# Allegro board BRD_05101_01_rev_b01_aa.brd (continued)
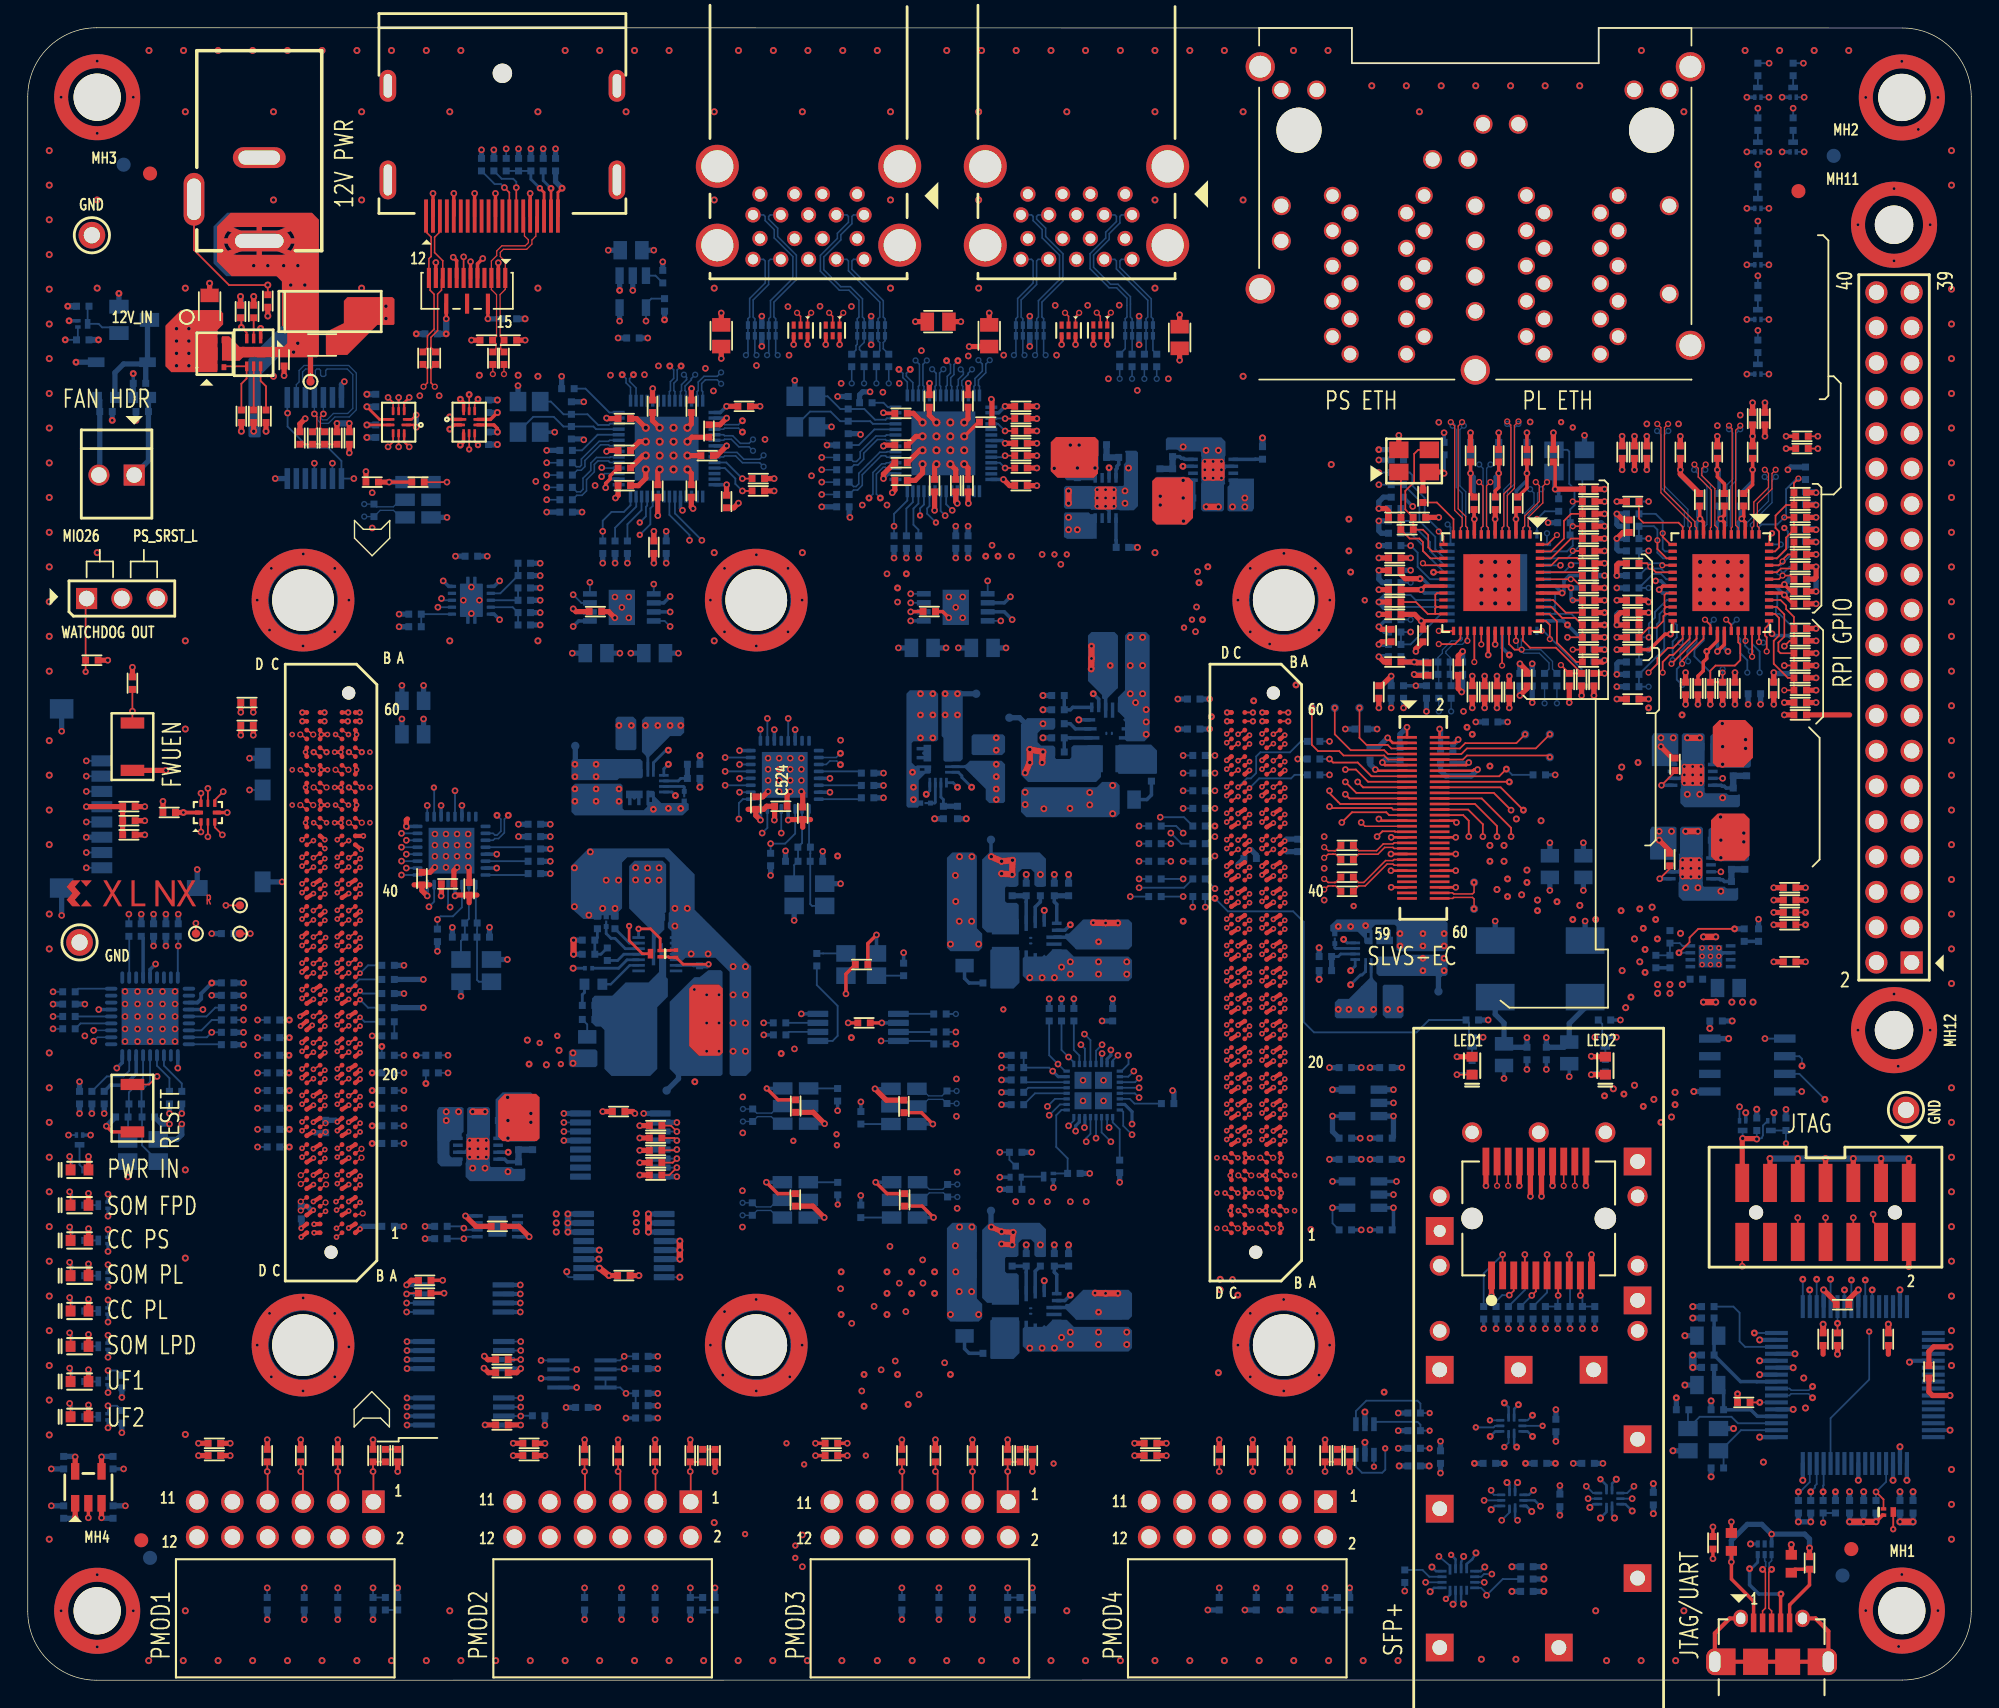
[diagram p0: board, top side]
## Routing (per net, layer and track width the routed paths; a pad name or vN(x,y) marks a point on that pad's centre or on a via; arc(x,y) is an arc through that point) (continued)
PS_3V3_FB: length 3
  BOTTOM w0.254: R1.2 R2.1 75.11,67.86 75.11,67.86 U1.10
PS_3V3_MODE: length 3.1
  BOTTOM w0.254: 76.65,70.06 75.28,70.06 75.11,69.89 R5.1 R4.2
PS_3V3_RAMP: length 2
  BOTTOM w0.254: C5.2 75.1,68.88 75.47,68.51 U1.11
PS_ERROR_OUT_M2C: length 16.9
  TOP w0.132: JA1.B24 v1(23.12,47.13) ; TP38.1 v5(14.27,55.8)
  L12_SIG w0.102: v1(23.12,47.13) 23.54,47.55 23.54,49.96 22.96,50.54 18.51,50.54 14.27,54.78 v5(14.27,55.8)
PS_ERROR_STATUS_M2C: length 17.6
  TOP w0.132: JA1.B25 v1(22.3,47.19) ; TP39.1 v5(12.11,54.51)
  L12_SIG w0.102: v5(12.11,54.51) 12.11,52.75 14.22,50.64 15.87,50.64 16.41,50.1 22.51,50.1 22.73,49.88 22.73,47.62 v1(22.3,47.19)
PS_ETH_1V0: length 34.3
  TOP w0.254: v5(111.17,78.66) 111.04,78.79 U36.42 ; U36.24 v5(100.38,76.29) ; U36.31 v5(105.71,74.6) ; U36.6 v5(105.71,83.61)
  TOP w0.381: C165.1 108,72.69 v5(107.49,73.2) ; C167.1 105.71,83.62 v5(105.71,83.61) ; v7(81.58,85.26) v7(81.58,84.63) ; C162.1 100.5,76.16 v5(100.38,76.29) 99.91,76.75 C166.1 ; v5(98.22,72.31) 97.52,71.62 C164.1 ; C152.1 v5(104.95,72.31) ; C155.1 v5(105.84,72.31) ; v2(100.3,79.32) 99.23,79.32 98.92,79.63 C163.1 ; v7(83.23,85.14) v7(83.26,83.47) ; C154.1 v5(113.58,72.51) ; C153.1 v5(99.62,80.82)
  BOTTOM w0.254: C504.1 111.81,75.1 v2(110.92,75.99) 110.62,76.29 U81.24 ; C510.1 111.3,77.77 111.17,77.9 v5(111.17,78.66) ; 82.22,84.37 81.96,84.63 v7(81.58,84.63) ; U81.6 U36.6 v5(105.71,83.61) 105.71,83.62 C167.1 ; v5(105.71,74.6) 105.72,74.61 U81.31 ; U81.42 101.01,78.79 100.48,79.32 v2(100.3,79.32)
  BOTTOM w0.381: C155.1 v5(105.84,72.31) ; 82.22,84.37 TP17.1 ; C498.1 v5(107.49,73.2) ; C497.1 v5(111.17,78.66) ; C154.1 v5(113.58,72.51) ; C153.1 v5(99.62,80.82) ; C152.1 v5(104.95,72.31) ; C508.1 v5(98.22,72.31)
  vias: v7(83.23,86.41)
PS_ETH_1V0_EN: length 2.1
  BOTTOM w0.254: R243.2 88.44,87.93 88.43,87.92 86.84,87.92
PS_ETH_1V0_FB: length 3.3
  BOTTOM w0.254: U12.4 83.34,87.92 83.27,87.99 83.11,87.99 82.98,88.12 R17.1
  BOTTOM w0.457: R6.2 C14.2 R17.1
PS_ETH_2V5: length 18.5
  TOP w0.254: U36.9 v5(104.21,83.61) 104.19,83.63 C160.1 ; U36.3 v5(107.21,83.61) 107.21,84.18 C151.1 ; C161.1 v5(105.96,89.84) ; C150.1 v5(108,89.84)
  TOP w0.381: C148.1 v5(103.93,89.84) ; v7(75.61,87.3) v7(73.95,87.27) ; v7(75.74,88.95) v7(75.1,88.95) ; C149.1 v5(109.9,89.84)
  BOTTOM w0.254: U81.3 U36.9 v5(104.21,83.61) 104.19,83.63 C160.1 ; v7(75.1,88.95) 75.1,88.57 74.85,88.31 ; U81.9 U36.3 v5(107.21,83.61) 107.23,83.64 C491.1 ; C493.1 v5(102.03,89.84) ; C503.1 v5(105.96,89.84) ; C509.1 v5(108,89.84) ; C492.1 v5(103.93,89.84)
  BOTTOM w0.381: 74.85,88.31 TP13.1
  vias: v7(76.88,87.3)
PS_ETH_2V5_EN: length 2.1
  BOTTOM w0.254: U10.5 78.39,82.1 78.41,82.09 R244.2
PS_ETH_2V5_FB: length 3.3
  BOTTOM w0.254: R15.1 78.59,87.55 78.46,87.42 78.46,87.26 78.39,87.19 U10.4
  BOTTOM w0.457: R10.2 C13.2 R15.1
PS_GEM0_RESET_B: length 67.9
  L05_SIG w0.102: v5(99.62,81.71) 98.09,81.71 97.63,81.25 96.62,81.25 96.06,80.69 94.53,80.69 93.14,82.09 88.69,82.09 84.71,78.1 84.38,78.1 80.49,74.21 79.29,74.21 78.66,73.58 78.66,71.93 77.64,70.91 77.64,69.52 75.61,67.48 75.61,49.7 75.87,49.45 75.87,48.05 75.36,47.54 75.36,45.39 76.88,43.86 76.88,40.81 v5(77.9,39.8)
  BOTTOM w0.127: U19.10 77.75,39.94 v5(77.9,39.8)
  BOTTOM w0.132: U81.43 101.02,79.29 100.12,80.18 100.12,81.2 v5(99.62,81.71) R426.2
PS_GEM1_RESET_B: length 64
  TOP w0.127: R125.2 111.36,79.29 v3(111.16,79.29) U36.43
  L03_SIG w0.102: v6(96.31,77.77) 96.62,78.08 103.09,78.08 104.06,79.04 106.98,79.04 107.23,79.29 v3(111.16,79.29)
  L05_SIG w0.102: v6(96.31,77.77) 92.76,74.21 87.04,74.21 82.09,69.26 82.09,67.48 79.63,65.02 79.63,61.84 78.05,60.27 78.05,53.67 77.64,53.26 77.64,48.56 78.15,48.05 78.15,46.53 v5(77.39,45.77)
  BOTTOM w0.127: U19.29 76.95,45.33 v5(77.39,45.77)
PS_POR_B: length 107.9
  TOP w0.132: JA1.C15 v1(21.4,41.39)
  L03_SIG w0.102: v1(21.4,41.39) 21.85,40.94 25.19,40.94 26.97,39.16 30.27,39.16 30.91,39.8 35.73,39.8 37.51,38.02 41.7,38.02 42.29,38.6 44.67,38.6 45.64,37.64 45.64,36.62 46.53,35.73 49.81,35.73 51.04,36.97 65.5,36.97 66.72,35.75 68.18,35.75 69.33,36.9 76.15,36.9 v5(78.02,38.78) 78.02,34.59 85.14,27.48 86.15,27.48 87.93,29.26 93.01,29.26 98.22,24.05 98.22,17.13 v6(97.79,16.7)
  BOTTOM w0.127: v5(78.02,38.78) 77.35,39.45 U19.11
  BOTTOM w0.132: U23.6 95.68,15.38 96.11,14.94 97.57,14.94 97.79,15.16 97.79,16.69 v6(97.79,16.7)
PS_SRST_C2M_B: length 194.4
  TOP w0.127: J3.14 v5(123.51,29.82)
  TOP w0.132: JA1.C16 v1(21.4,42.02)
  L03_SIG w0.102: v5(123.51,29.82) 120.24,29.82 118.75,28.33 118.75,25.91 114.05,21.21 103.77,21.21 103.26,20.7 100.97,20.7 100,19.72 100,16.81 99.11,15.92 98.09,15.92 97.55,15.38 v6(96.98,15.38) 96.05,16.3 84.12,16.3 83.23,15.41 79.29,15.41 78.02,16.68 62.28,16.68 61.39,17.57 48.18,17.57 47.8,17.95 39.67,17.95 36.11,21.51 22.78,21.51 21.64,20.37 17.95,20.37 15.79,22.53 15.79,35.1 18.08,37.38 18.08,39.54 19.35,40.81 20.75,40.81 20.98,41.05 20.98,41.61 v1(21.4,42.02)
  L10_SIG w0.102: J1.3 17.89,69.32 17.89,53.7 19.35,52.24 24.05,52.24 24.38,51.91 24.38,43.05 23.85,42.51 21.89,42.51 v1(21.4,42.02)
  BOTTOM w0.132: U23.4 v6(96.98,15.38)
PWRGD_FPD_M2C: length 22.6
  TOP w0.305: JA1.D24 v1(20.49,47.16)
  L10_SIG w0.203: 18.8,42.97 19.32,43.48 19.32,46.11 19.73,46.53
  L10_SIG w0.254: v1(20.49,47.16) 20.49,46.78 20.24,46.53 19.73,46.53 ; v5(5.78,35) 8.46,35 15.16,41.7 16.81,41.7 18.08,42.97 18.8,42.97
  BOTTOM w0.229: Q7.1 v5(5.78,35)
PWRGD_LPD_M2C: length 33.7
  TOP w0.305: JA1.D25 v1(19.65,47.11)
  L10_SIG w0.254: v5(5.78,24.84) 6.65,25.71 6.65,30.78 5.13,32.3 5.13,36.11 7.67,38.65 10.46,38.65 15.03,43.23 16.81,43.23 18.21,44.62 18.21,46.66 18.46,46.91 19.45,46.91 v1(19.65,47.11)
  BOTTOM w0.229: Q17.1 v5(5.78,24.84)
PWRGD_PL_M2C: length 31
  TOP w0.305: JA1.D26 v1(19.62,47.8)
  L10_SIG w0.254: v1(19.62,47.8) 19.37,48.05 18.46,48.05 17.57,47.16 17.57,45 16.94,44.37 14.52,44.37 12.11,41.96 8.43,41.96 7.67,41.19 7.67,39.92 3.73,35.99 3.73,31.97 v5(5.78,29.92)
  BOTTOM w0.229: Q9.1 v5(5.78,29.92)
PWROFF_C2M_B: length 158.2
  TOP w0.132: C207.1 v7(17.29,100.47) 14.5,100.47 11.98,102.99 J12.3
  TOP w0.203: v6(43.32,54.31) 43.32,53.27 44.27,52.32 Q21.3
  TOP w0.305: JA1.B26 v1(22.3,47.83)
  L05_SIG w0.203: 16.56,49.67 17.65,48.58 21.11,48.58 21.36,48.33
  L05_SIG w0.254: 21.36,48.33 21.79,48.33 v1(22.3,47.83) ; 16.56,49.67 16.56,54.66 15.67,55.55 15.67,62.15 14.65,63.17 14.65,64.56 11.73,67.48 7.16,67.48 3.16,71.49 3.16,74.57 3.73,75.14 10.37,75.14 11.53,76.3 11.53,88.36 16.05,92.88 16.05,97.96 17.29,99.21 v7(17.29,100.47)
  L10_SIG w0.254: v5(2.94,39.26) 2.94,40.78 4.24,42.08 6.27,42.08 9.32,45.13 15.79,45.13 16.3,45.64 16.68,45.64 17.05,46.01 17.05,47.31 18.31,48.56 20.02,48.56 20.22,48.36 21.77,48.36 v1(22.3,47.83) ; v2(34.61,38.02) 35.35,38.77 35.35,46.35 v6(43.32,54.31)
  L12_SIG w0.254: v2(34.61,38.02) 35.1,38.51 35.1,44.37 32.57,46.89 24.42,46.89 23.92,46.4 22.27,46.4 21.85,46.83 21.85,47.38 v1(22.3,47.83)
  BOTTOM w0.132: Q6.1 v5(2.94,39.26)
  BOTTOM w0.254: U7.3 v2(34.61,38.02)
RPI_3V3: length 8.3
  TOP w0.254: R331.2 v5(126.66,88.69) ; R330.2 v5(126.66,89.58)
  TOP w0.381: R326.2 v5(125.78,54.4) ; C425.1 v5(128.06,51.74) ; R327.2 v5(125.78,55.29) ; 131.24,69.52 C424.1
  BOTTOM w0.381: U74.1 v5(98.38,42.53) ; C431.1 v5(98.98,44.12)
RPI_3V3_EN: length 2.8
  BOTTOM w0.254: U74.4 v5(93.99,40.63)
  BOTTOM w0.381: R332.1 93.99,39.51 v5(93.99,40.63)
RPI_3V3_PWR_FLT_B: length 2.7
  BOTTOM w0.381: U74.3 v5(98.38,40.63) 98.38,39.13 R333.2
RPI_5V0: length 3.3
  TOP w0.381: C426.1 v5(128.06,57.07) ; C427.1 v5(128.06,56.18)
  BOTTOM w0.254: U73.1 v5(98.6,35.92)
  BOTTOM w0.381: C429.1 v5(98.98,37.51)
RPI_5V0_EN: length 2.8
  BOTTOM w0.132: R328.1 93.99,32.91 v5(93.99,34.02)
  BOTTOM w0.254: U73.4 v5(93.99,34.02)
RPI_5V_PWR_FLT_B: length 2.7
  BOTTOM w0.254: R329.2 98.38,32.52 v5(98.38,34.02) U73.3
SD_CTRLR_RESET_B: length 121.6
  L03_SIG w0.102: v6(60.37,16.18) 59.74,15.54 56.69,15.54 56.18,16.05 39.8,16.05 38.15,17.7 26.21,17.7 24.56,19.35 17.19,19.35 14.4,22.14 14.4,36.11 13.25,37.26 10.46,37.26 8.05,39.67 8.05,43.99 9.19,45.13 11.1,45.13 11.86,45.89 11.86,51.86 v5(10.84,52.88)
  L05_SIG w0.102: v6(60.37,16.18) 60.37,18.21 65.96,23.8 65.96,27.73 68.75,30.53 68.75,33.07 73.58,37.89 v5(73.58,40.69)
  BOTTOM w0.127: U19.18 74.36,41.46 v5(73.58,40.69)
  BOTTOM w0.132: U38.18 10.81,52.84 v5(10.84,52.88) R429.2
SDIO_CD_B: length 38.9
  L10_SIG w0.102: v5(13.25,46.66) 14.4,47.8 14.4,55.16 14.65,55.42 16.57,55.42 16.75,55.6 16.75,56.38 16.6,56.54 12.95,56.54 12.69,56.79 12.69,57.02 12.95,57.27 16.55,57.27 16.78,57.5 16.78,57.83 16.6,58.01 12.95,58.01 12.75,58.21 12.75,58.54 12.95,58.75 16.54,58.75 16.74,58.95 16.74,63.35 v5(15.98,64.11)
  BOTTOM w0.132: J11.13 v5(15.98,64.11) ; R130.2 v5(13.25,46.66) 12.89,46.3 U38.26
SDIO_CLK: length 2.7
  BOTTOM w0.132: R249.1 3.64,49.8 U38.9
SDIO_CLK_R: length 36.6
  TOP w0.132: U82.7 v5(12.48,63.88)
  L10_SIG w0.102: v5(12.48,63.88) 5.58,63.88 5.38,63.67 5.38,62.01 5.18,61.81 v5(4.22,61.81)
  L12_SIG w0.102: v5(12.48,63.88) 5.71,63.88 5.51,63.67 5.51,52.88 4.24,51.61 2.08,51.61 1.82,51.35 v5(1.82,49.58)
  BOTTOM w0.132: J11.5 v5(4.22,61.81) ; R249.2 v5(1.82,49.58)
SDIO_CMD: length 3
  BOTTOM w0.132: R248.1 7.31,53.55 U38.11
SDIO_CMD_R: length 37.3
  TOP w0.132: U82.6 v5(12.98,64.23)
  L10_SIG w0.102: v5(12.98,64.23) 12.39,64.82 5.03,64.82 v5(4.22,64.01)
  L12_SIG w0.102: v5(12.98,64.23) 12.98,63.55 12.47,63.04 10.82,63.04 10.16,62.38 8.2,62.38 7.54,63.04 6.55,63.04 6.35,62.84 6.35,62.05 6.55,61.85 7.49,61.85 7.72,61.62 7.72,61.29 7.54,61.11 6.55,61.11 6.35,60.91 6.35,60.58 6.55,60.38 7.51,60.38 7.72,60.17 7.72,59.84 7.51,59.64 6.55,59.64 6.35,59.44 6.35,58.84 6.53,58.66 7.36,58.66 7.54,58.48 7.54,58.23 7.36,58.05 6.53,58.05 6.35,57.87 6.35,57.62 6.53,57.44 7.36,57.44 7.54,57.26 7.54,57.01 7.36,56.83 6.53,56.83 6.35,56.65 6.35,55.37 6.55,55.17 v5(7.28,55.17)
  BOTTOM w0.132: J11.3 v5(4.22,64.01) ; R248.2 v5(7.28,55.17)
SDIO_DATA0: length 2.6
  BOTTOM w0.132: U38.5 R250.1
SDIO_DATA0_R: length 37.1
  TOP w0.132: U82.1 v5(12.48,61.09)
  L10_SIG w0.102: v5(4.22,59.61) 5.56,59.61 5.94,59.23 10.62,59.23 v5(12.48,61.09)
  L12_SIG w0.102: v5(1.82,47.8) 5.38,47.8 5.63,48.05 5.63,49.29 5.43,49.49 2.79,49.49 2.59,49.69 2.59,50.02 2.79,50.22 5.43,50.22 5.63,50.43 5.63,51.61 8.63,54.61 8.63,57.24 v5(12.48,61.09)
  BOTTOM w0.132: R250.2 v5(1.82,47.8) ; J11.7 v5(4.22,59.61)
SDIO_DATA1: length 2.8
  BOTTOM w0.132: R251.1 3.81,47.3 U38.4
SDIO_DATA1_R: length 36.6
  TOP w0.132: U82.2 v5(12.98,60.74)
  L10_SIG w0.102: v5(12.98,60.74) 10.74,58.51 v5(4.22,58.51)
  L12_SIG w0.102: v5(12.98,60.74) 9.52,57.28 9.52,54.22 6.4,51.1 6.4,45.51 6.02,45.13 2.63,45.13 2.47,45.29 2.47,46.26 v5(1.82,46.91)
  BOTTOM w0.132: J11.8 v5(4.22,58.51) ; R251.2 v5(1.82,46.91)
SDIO_DATA2: length 2.6
  BOTTOM w0.132: U38.25 12.51,46.8 13.25,47.54 R252.1
SDIO_DATA2_R: length 37.4
  TOP w0.132: v5(14.02,60.88) 13.48,61.42 U82.3
  L10_SIG w0.102: v5(4.22,66.21) 12.12,66.21 13.48,64.85 13.48,61.42 v5(14.02,60.88)
  L12_SIG w0.102: v5(15.54,47.54) 16.05,48.05 16.05,49.5 15.79,49.75 12.95,49.75 11.35,51.35 11.35,55.29 12.75,56.69 14.78,56.69 15.16,57.07 15.16,59.74 v5(14.02,60.88)
  BOTTOM w0.132: J11.1 v5(4.22,66.21) ; R252.2 v5(15.54,47.54)
SDIO_DATA3: length 2.6
  BOTTOM w0.132: U38.23 12.87,47.8 13.51,48.43 R253.1
SDIO_DATA3_R: length 37.2
  TOP w0.132: v5(14.08,63.99) 13.48,63.39 U82.5
  L10_SIG w0.102: v5(4.22,65.11) 3.73,65.59 3.73,66.47 4.11,66.85 12.37,66.85 14.08,65.13 v5(14.08,63.99)
  L12_SIG w0.102: v5(14.08,63.99) 14.08,63.1 13.51,62.53 13.51,58.72 10.38,55.6 10.38,51.56 13.51,48.43 v5(15.54,48.43)
  BOTTOM w0.132: R253.2 v5(15.54,48.43) ; J11.2 v5(4.22,65.11)
SDIO_SCK: length 3
  BOTTOM w0.132: R464.2 10.21,43.35 9.31,44.25 U38.31
SDIO_SDA: length 2.4
  BOTTOM w0.132: R463.2 13.91,45.8 U38.27
SDIO_VDD: length 32.2
  TOP w0.279: v2(11.21,62.49) U82.8
  TOP w0.381: C565.1 v2(11.21,62.49) ; R462.1 C557.1 C369.1 4.23,62.91 v5(4.22,62.91)
  L05_SIG w0.381: v2(13.25,50.21) 13.25,51.74 11.35,53.64 11.35,54.78 11.86,55.29 11.86,56.94 11.21,57.59 v2(11.21,62.49) 9.74,62.49 8.3,63.93 5.24,63.93 v5(4.22,62.91)
  BOTTOM w0.279: U38.21 12.22,48.8 12.49,49.07 12.49,49.45 v2(13.25,50.21)
  BOTTOM w0.381: v2(13.25,50.21) 13.26,50.22 C558.1 ; J11.4 v5(4.22,62.91)
SDIO_VDD18: length 3
  BOTTOM w0.254: C175.1 8.31,53.44 U38.13
SDIO_VDD18PLL: length 4.2
  BOTTOM w0.254: U38.34 7.81,43.67 6.98,42.85 5.95,42.85 C562.1
SDIO_WP: length 3.1
  BOTTOM w0.132: U38.30 9.81,44.26 11.09,42.97 R465.1
SDIO_XTAL1: length 6.5
  BOTTOM w0.132: U38.33 8.31,43.36 7.28,42.34 7.28,41.51 R466.1 7.29,40.62 C563.1 7.23,38.97 X11.3
SDIO_XTAL2: length 8.4
  BOTTOM w0.132: X11.1 8.23,38.52 C564.1 8.19,40.6 R466.2 8.19,42.48 8.81,43.1 U38.32
SFP_RS0: length 3.1
  TOP w0.127: J23.7 v5(110.25,27.71)
  BOTTOM w0.132: v5(110.25,27.71) 110.22,27.68 R341.1 R343.2
SFP_RS1: length 3.2
  TOP w0.127: J23.9 v5(111.85,27.71)
  BOTTOM w0.132: v5(111.85,27.71) 111.99,27.56 R344.2 R342.1
SOM240_1_C45_NC: length 0.4
  TOP w0.132: JA1.C45 v1(21.4,59.89)
SOM240_1_D46_NC: length 0.4
  TOP w0.132: JA1.D46 v1(19.76,60.53)
SOM_5V0: length 11.6
  TOP w0.254: JA1.D60 v6(19.78,69.69) ; JA1.B60 v6(23.08,69.69) ; JA1.A59 v6(23.92,69.06) ; JA1.C59 v6(21.38,69.06) ; JA1.A60 v6(23.92,69.69) ; JA1.C60 v6(21.38,69.69)
  TOP w0.381: C323.1 v5(16.24,69.7) ; C324.1 v5(16.24,68.05)
  L05_SIG w0.254: v7(38.91,32.28) v7(38.91,32.93) v7(38.91,33.58)
  BOTTOM w0.381: C354.1 v5(26.95,71.64) ; U14.15 v7(38.91,32.93) ; U14.14 v7(38.91,32.28) ; C353.1 v5(26.95,69.22) ; U14.16 v7(38.91,33.58)
  BOTTOM w0.457: v7(38.91,32.28) v7(38.91,32.93) v7(38.91,33.58)
  vias: v7(38.07,33.58) v7(38.07,32.93) v7(38.07,32.28)
SOM_DP_AUX_IN_LS: length 14.8
  TOP w0.127: U28.4 v6(31.8,88.64)
  L12_SIG w0.102: v6(31.8,88.64) 31.8,89.12 31.42,89.51 25.27,89.51 24.74,88.97 21.98,88.97 v5(20.65,87.64)
  BOTTOM w0.127: U29.4 v5(20.65,87.64)
SOM_DP_AUX_OUT_LS: length 13.9
  TOP w0.127: v6(32.43,88.95) 32.2,89.18 U28.5
  L12_SIG w0.102: v5(21.95,87.64) 22.54,87.04 23.67,87.04 24.68,88.06 32.03,88.06 32.43,88.46 v6(32.43,88.95)
  BOTTOM w0.127: U29.2 v5(21.95,87.64)
SOM_DP_HPD_LS: length 31.9
  TOP w0.127: U30.4 v5(26.72,92.38)
  L05_SIG w0.102: v5(34.46,110.28) 35.22,111.04 38.4,111.04 39.48,109.96 39.48,105.52 35.48,101.52 35.48,99.11 31.92,95.55 29.22,95.55 26.72,93.05 v5(26.72,92.38)
  BOTTOM w0.127: R352.1 v5(34.46,110.28)
SOM_DP_OE_LS: length 17.4
  TOP w0.127: U30.5 26.32,92.01 v5(25.95,92.38)
  L05_SIG w0.102: v5(23.49,86.53) 23.8,86.84 23.8,90.6 24.18,90.98 24.56,90.98 v5(25.95,92.38)
  BOTTOM w0.127: U29.1 v5(23.49,86.53)
  BOTTOM w0.132: U29.8 18.7,91.27 v5(18.72,91.25) 18.72,90.28 20.24,88.76 21.64,88.76 22.6,87.8 U29.1
USB0_ATEST: length 3.8
  BOTTOM w0.132: U43.52 41.05,89.69 39.92,88.57 R222.1
USB0_CFG_BC_EN: length 3.6
  BOTTOM w0.132: U43.40 44.21,85.23 44.21,84.26 43.2,83.24 R219.1
USB0_CFG_NON_REM: length 3.8
  BOTTOM w0.132: U43.41 43.83,85.23 43.83,84.51 42.31,82.99 R220.1
USB0_D1_N: length 90.4
  L03_SIG w0.112: v5(4.74,46.8) 5.01,46.54 5.77,46.54 5.89,46.66 5.89,66.47 12.11,72.69 12.11,82.83 18.1,88.82 22.4,88.82 23.67,90.09 23.67,93.77 25.19,95.3 26.75,95.3 27.84,96.39 29.9,96.39 30.76,95.53 30.76,91.95 31.95,90.75 37.2,90.75 39.04,92.58 39.04,93.39 40.95,95.3 42.85,95.3 43.35,94.79 43.35,94.3 v2(43.63,94.02)
  BOTTOM w0.114: U43.2 43.82,93.06 43.35,93.53 43.35,93.73 v2(43.63,94.02) ; U38.3 v5(4.74,46.8)
USB0_D1_P: length 90.4
  L03_SIG w0.112: v5(4.74,46.02) 5.01,46.28 5.88,46.28 6.14,46.55 6.14,66.36 12.37,72.59 12.37,82.72 18.21,88.57 22.5,88.57 23.92,89.98 23.92,93.67 25.3,95.04 26.85,95.04 27.95,96.13 29.79,96.13 30.5,95.42 30.5,91.84 31.85,90.5 37.31,90.5 39.29,92.48 39.29,93.28 41.05,95.04 41.43,95.04 41.56,94.91 41.56,94.84 41.69,94.71 41.88,94.71 42.01,94.84 42.01,94.91 42.14,95.04 42.74,95.04 43.1,94.68 43.1,94.3 v2(42.82,94.02)
  BOTTOM w0.114: U38.2 5.02,46.3 v5(4.74,46.02) ; U43.1 43.42,93.11 43.1,93.43 43.1,93.73 v2(42.82,94.02)
USB0_D2_N: length 23.2
  TOP w0.114: v3(56.43,98.47) 56.17,98.21 X6.1
  L03_SIG w0.112: U44.11 56.48,103.82 55.26,102.61 55.26,101.19 56.05,100.4 56.05,98.58 56.17,98.47 v3(56.43,98.47) 56.05,98.09 56.05,97.55 55.22,96.72 48.01,96.72 46.81,95.52 46.81,94.9 v2(47.06,94.64)
  BOTTOM w0.114: v2(47.06,94.64) 46.78,94.36 46.78,93.65 46.55,93.41 46.55,92.87 46.62,92.8 U43.9
USB0_D2_P: length 23.1
  TOP w0.114: v3(55.42,98.47) 55.67,98.22 X6.2
  L03_SIG w0.112: v2(46.25,94.64) 46.55,94.95 46.55,95.63 47.11,96.18 47.11,96.34 46.77,96.68 46.77,96.84 46.92,97 47.08,97 47.42,96.65 47.58,96.65 47.9,96.97 55.11,96.97 55.8,97.66 55.8,98.09 v3(55.42,98.47) 55.69,98.47 55.8,98.58 55.8,100.29 55.01,101.08 55.01,102.71 55.24,102.95 U44.12
  BOTTOM w0.114: v2(46.25,94.64) 46.53,94.36 46.53,93.75 46.3,93.51 46.3,92.87 46.22,92.8 U43.8
USB0_D3_N: length 29.1
  TOP w0.114: X5.1 58.48,98.21 v3(58.75,98.47)
  L03_SIG w0.112: v2(51.48,89.89) 51.74,90.14 53.8,90.14 56.97,93.31 56.97,96.36 58.37,97.76 58.37,98.09 v3(58.75,98.47) 58.34,98.88 58.34,100.19 59.38,101.23 59.38,102.89 58.83,103.44 58.83,104.33 59.36,104.87 59.36,106.1 58.9,106.57 57.86,106.57 57.56,106.26 56.93,106.26 56.44,106.75 56.44,106.91 56.55,107.02 U44.2
  BOTTOM w0.114: v2(51.48,89.89) 51.2,90.17 50.2,90.17 50.13,90.09 U43.18
USB0_D3_P: length 29.1
  TOP w0.114: X5.2 57.98,98.22 v3(57.73,98.47)
  L03_SIG w0.112: U44.3 56.01,107.02 56.19,106.84 56.19,106.65 56.83,106.01 57.66,106.01 57.96,106.31 58.79,106.31 59.11,106 59.11,104.97 58.58,104.44 58.58,103.34 59.13,102.78 59.13,101.34 58.09,100.29 58.09,98.83 v3(57.73,98.47) 58.11,98.09 58.11,97.86 56.71,96.46 56.71,93.42 53.69,90.39 52.91,90.39 52.8,90.51 52.8,90.58 52.69,90.69 52.46,90.69 52.35,90.58 52.35,90.51 52.24,90.39 51.79,90.39 v2(51.48,90.7)
  BOTTOM w0.114: U43.17 50.13,90.49 50.2,90.42 51.2,90.42 v2(51.48,90.7)
USB0_HUB_I2C_SCK: length 55
  TOP w0.132: v5(46.76,38.21) 46.7,38.16 R57.2
  L05_SIG w0.102: v6(44.09,82.48) 43.86,82.26 43.86,78.41 44.62,77.64 44.62,73.83 41.07,70.28 41.07,67.74 43.61,65.2 43.61,61.51 46.15,58.97 46.15,57.2 45.39,56.43 45.39,38.91 46.08,38.21 v5(46.76,38.21)
  BOTTOM w0.127: U18.5 v5(46.76,38.21)
  BOTTOM w0.132: v6(44.09,82.48) 44.85,83.24 44.85,84.39 45.02,84.56 U43.38
USB0_HUB_I2C_SDA: length 53.9
  TOP w0.132: R62.2 46.58,39.05 v5(46.76,38.86)
  L05_SIG w0.102: v5(46.76,38.86) 46.1,39.52 46.1,56.12 47.16,57.18 47.16,59.23 44.5,61.9 44.5,65.59 41.83,68.26 41.83,69.5 45.34,73.01 45.34,77.95 44.5,78.79 44.5,81.83 44.62,81.96 44.62,82.83 v6(44.09,83.37)
  BOTTOM w0.127: U18.4 v5(46.76,38.86)
  BOTTOM w0.132: U43.39 44.62,84.59 44.53,84.5 44.53,83.82 v6(44.09,83.37)
USB0_HUB_RESET_B: length 89.5
  L05_SIG w0.102: v6(83.3,75.8) 81.45,73.96 81.45,71.42 77.52,67.48 77.52,63.04 76.12,61.64 76.12,49.83 76.25,49.7 76.25,47.29 76.63,46.91 76.63,46.27 76.37,46.02 76.37,44.97 77.11,44.24 78.53,44.24 v5(79.29,45)
  L12_SIG w0.102: v5(41.42,82.74) 42.58,81.58 46.02,81.58 47.29,82.85 57.83,82.85 60.37,80.31 65.71,80.31 68.63,77.39 81.71,77.39 v6(83.3,75.8)
  BOTTOM w0.127: v5(79.29,45) 79.29,44.37 78.79,43.86 U19.1
  BOTTOM w0.132: U43.42 43.42,84.61 42.94,84.13 42.05,84.13 41.42,83.5 v5(41.42,82.74) R218.2
USB0_PHY_RESET_B: length 58.3
  L03_SIG w0.102: v6(38.15,46.4) 40.18,46.4 40.56,46.02 57.7,46.02 58.68,45.05 61.61,45.05 61.85,45.28 67.38,45.28 68.37,46.27 75.87,46.27 v5(76.12,46.53)
  L12_SIG w0.102: v5(29.51,54.78) 29.51,54.28 37.38,46.4 v6(38.15,46.4)
  BOTTOM w0.127: v5(76.12,46.53) 76.55,46.09 76.55,44.38
  BOTTOM w0.132: U37.27 31.28,55.66 30.63,55.01 29.74,55.01 v5(29.51,54.78) R210.2
USB0_PRT_CTL2: length 26
  L03_SIG w0.102: v5(46.27,75.88) 44.62,77.54 44.62,78.02 44.12,78.53 41.58,78.53 41.21,78.17 v5(39.29,78.17) 39.29,78.91 39.92,79.55 46.02,79.55 47.67,81.2 v5(47.67,82.09)
  BOTTOM w0.127: v5(46.27,75.88) 45.88,76.28 U45.8 ; v5(39.29,78.17) 39.88,77.58 U45.3
  BOTTOM w0.132: U43.35 46.22,83.92 47.67,82.47 v5(47.67,82.09)
USB0_PRT_CTL3: length 15.4
  L03_SIG w0.102: v5(40.5,79.06) 44.97,79.06 v5(45.1,78.93) 46.17,78.93 48.56,81.33 v5(48.56,82.09)
  BOTTOM w0.127: U45.4 v5(40.5,79.06) ; U45.5 v5(45.1,78.93)
  BOTTOM w0.132: v5(48.56,82.09) 46.62,84.03 U43.34
USB0_RBIAS: length 3.9
  BOTTOM w0.132: R221.1 40.18,93.01 41.9,91.29 U43.56
USB0_SSRX2_N: length 16.7
  L12_SIG w0.112: v4(49.95,93.36) 50.23,93.64 50.54,93.64 51,94.1 51,94.35 51.11,94.46 51.43,94.46 51.54,94.57 51.54,94.8 51.43,94.91 51.11,94.91 51,95.02 51,95.69 51.34,96.03 51.88,96.03 51.99,95.92 51.99,95.68 v4(51.74,95.42)
  BOTTOM w0.114: U43.14 48.62,92.8 48.55,92.87 48.55,93.38 48.81,93.65 49.67,93.65 v4(49.95,93.36) ; U44.14 53,102.32 53.12,102.21 53.12,100.62 52,99.5 52,98.17 51.88,98.05 U66.1 U66.10 51.88,95.57 v4(51.74,95.42)
USB0_SSRX2_P: length 16.7
  L12_SIG w0.112: v4(52.5,95.42) 52.24,95.68 52.24,96.02 51.98,96.28 51.23,96.28 50.75,95.8 50.75,94.21 50.44,93.9 50.23,93.9 v4(49.95,94.18)
  BOTTOM w0.114: v4(49.95,94.18) 49.67,93.9 48.71,93.9 48.3,93.48 48.3,92.87 48.22,92.8 U43.13 ; v4(52.5,95.42) 52.38,95.54 U66.9 U66.2 52.38,98.05 52.25,98.17 52.25,99.4 53.37,100.51 53.37,102.21 53.48,102.32 U44.15
USB0_SSRX3_N: length 30.1
  L12_SIG w0.112: v4(53.26,95.42) 53.51,95.17 53.51,94.72 51.4,92.6 50.07,92.6 49.36,91.9 49.36,88.31 49.99,87.68 52.73,87.68 v4(53.01,87.4)
  BOTTOM w0.114: v4(53.26,95.42) 53.38,95.54 U66.7 U66.4 53.38,98.05 53.5,98.17 53.5,99.35 55.12,100.96 55.12,102.52 53.77,103.87 53.77,104.46 53.12,105.12 53.12,105.41 53,105.52 U44.5 ; U43.23 50.13,88.09 50.2,88.17 50.99,88.17 51.48,87.68 52.72,87.68 v4(53.01,87.4)
USB0_SSRX3_P: length 30.1
  L12_SIG w0.112: v4(54.02,95.42) 53.77,95.17 53.77,94.61 53.62,94.47 53.62,94.31 53.68,94.25 53.68,94.03 53.57,93.92 53.38,93.92 53.31,93.99 53.15,93.99 51.5,92.35 50.17,92.35 49.62,91.79 49.62,88.41 50.1,87.93 52.73,87.93 v4(53.01,88.21)
  BOTTOM w0.114: v4(54.02,95.42) 53.88,95.57 U66.6 U66.5 53.88,98.05 53.75,98.17 53.75,99.25 55.37,100.86 55.37,102.62 54.02,103.97 54.02,104.57 53.37,105.22 53.37,105.41 53.48,105.52 U44.6 ; U43.22 50.13,88.49 50.2,88.42 51.1,88.42 51.59,87.93 52.72,87.93 v4(53.01,88.21)
USB0_SSTX2_C_N: length 8.8
  BOTTOM w0.114: U44.17 59,102.32 59.12,102.21 59.12,101.5 61.38,99.24 61.38,98.17 61.25,98.05 U67.4 U67.7 61.25,96.45 61.38,96.33 61.38,95.74 C280.1
USB0_SSTX2_C_P: length 8.8
  BOTTOM w0.114: C282.1 61.63,95.89 61.63,96.33 61.75,96.45 U67.6 U67.5 61.75,98.05 61.63,98.17 61.63,99.35 59.37,101.6 59.37,102.21 59.48,102.32 U44.18
USB0_SSTX2_N: length 24.3
  L12_SIG w0.112: v4(61.13,93.39) 61.34,93.39 61.45,93.5 61.45,93.87 61.34,93.98 57.64,93.98 56.75,94.86 56.75,96.6 55.63,97.73 54.59,97.73 53.53,98.8 51.76,98.8 48.67,95.7 48.67,95.52 48.89,95.3 48.89,95.12 48.75,94.98 48.57,94.98 48.35,95.2 48.17,95.2 47.8,94.84 47.8,94.3 v4(48.08,94.02)
  BOTTOM w0.114: v4(61.13,93.39) C280.2 ; v4(48.08,94.02) 47.8,93.73 47.8,93.65 47.35,93.19 47.35,92.87 47.42,92.8 U43.11
USB0_SSTX2_P: length 24.2
  L12_SIG w0.112: v4(62.02,93.39) 61.82,93.39 61.71,93.5 61.71,93.97 61.44,94.23 57.74,94.23 57.01,94.97 57.01,96.71 55.73,97.98 54.7,97.98 53.63,99.05 51.65,99.05 47.55,94.94 47.55,94.3 v4(47.27,94.02)
  BOTTOM w0.114: v4(47.27,94.02) 47.46,93.82 47.46,93.66 47.1,93.3 47.1,92.87 47.02,92.8 U43.10 ; v4(62.02,93.39) C282.2
USB0_SSTX3_C_N: length 13.4
  BOTTOM w0.114: C279.2 59.66,95.8 59.66,96.11 59.75,96.2 U67.10 U67.1 59.75,98.05 59.88,98.17 59.88,99.38 59.15,100.1 58.46,100.1 57.1,101.47 57.1,102.6 58.32,103.83 58.32,104.19 59.12,104.99 59.12,105.41 59,105.52 U44.8
USB0_SSTX3_C_P: length 13.6
  BOTTOM w0.114: U44.9 59.48,105.52 59.37,105.41 59.37,104.89 58.57,104.09 58.57,103.72 57.35,102.5 57.35,101.57 58.57,100.35 59.26,100.35 60.13,99.48 60.13,98.17 60.25,98.05 U67.2 U67.9 60.25,96.35 59.91,96.01 59.91,95.82 C281.2
USB0_SSTX3_N: length 19.1
  L12_SIG w0.112: v4(52.24,88.54) 51.96,88.82 51.04,88.82 50.78,89.08 50.78,90.92 51.38,91.52 52.05,91.52 52.35,91.22 58.84,91.22 59.67,92.06 59.67,93.28 59.56,93.39 v4(59.36,93.39)
  BOTTOM w0.114: U43.20 50.13,89.29 50.2,89.37 50.68,89.37 51.23,88.82 51.96,88.82 v4(52.24,88.54) ; v4(59.36,93.39) C279.1
USB0_SSTX3_P: length 19
  L12_SIG w0.112: v4(60.24,93.39) 60.04,93.39 59.93,93.28 59.93,91.95 58.94,90.97 53.19,90.97 53.06,90.83 53.06,90.79 52.93,90.66 52.75,90.66 52.62,90.79 52.62,90.83 52.49,90.97 52.25,90.97 51.94,91.27 51.48,91.27 51.03,90.82 51.03,89.18 51.15,89.07 51.96,89.07 v4(52.24,89.35)
  BOTTOM w0.114: U43.19 50.13,89.69 50.2,89.62 50.78,89.62 51.33,89.07 51.96,89.07 v4(52.24,89.35) ; v4(60.24,93.39) C281.1
USB0_USB3320_D_N: length 70.9
  L03_SIG w0.112: v5(41.35,87.32) 41.54,87.12 42.28,87.12 43.1,87.94 43.1,90.6 43.73,91.23 49.2,91.23 51.61,88.82 53.89,88.82 54.78,89.71 57.83,89.71 58.5,89.04 58.5,78.05 52.24,71.8 39.16,71.8 34.34,66.97 34.34,62.56 v2(34.62,62.28)
  BOTTOM w0.114: U37.19 33.52,60.49 33.65,60.61 33.91,60.61 34.33,61.03 34.33,62 v2(34.62,62.28) ; U43.46 41.45,87.29 41.42,87.32 v5(41.35,87.32)